# KiCad board CXD-ROUTER-V1.0_PUBLISH.kicad_pcb (continued)
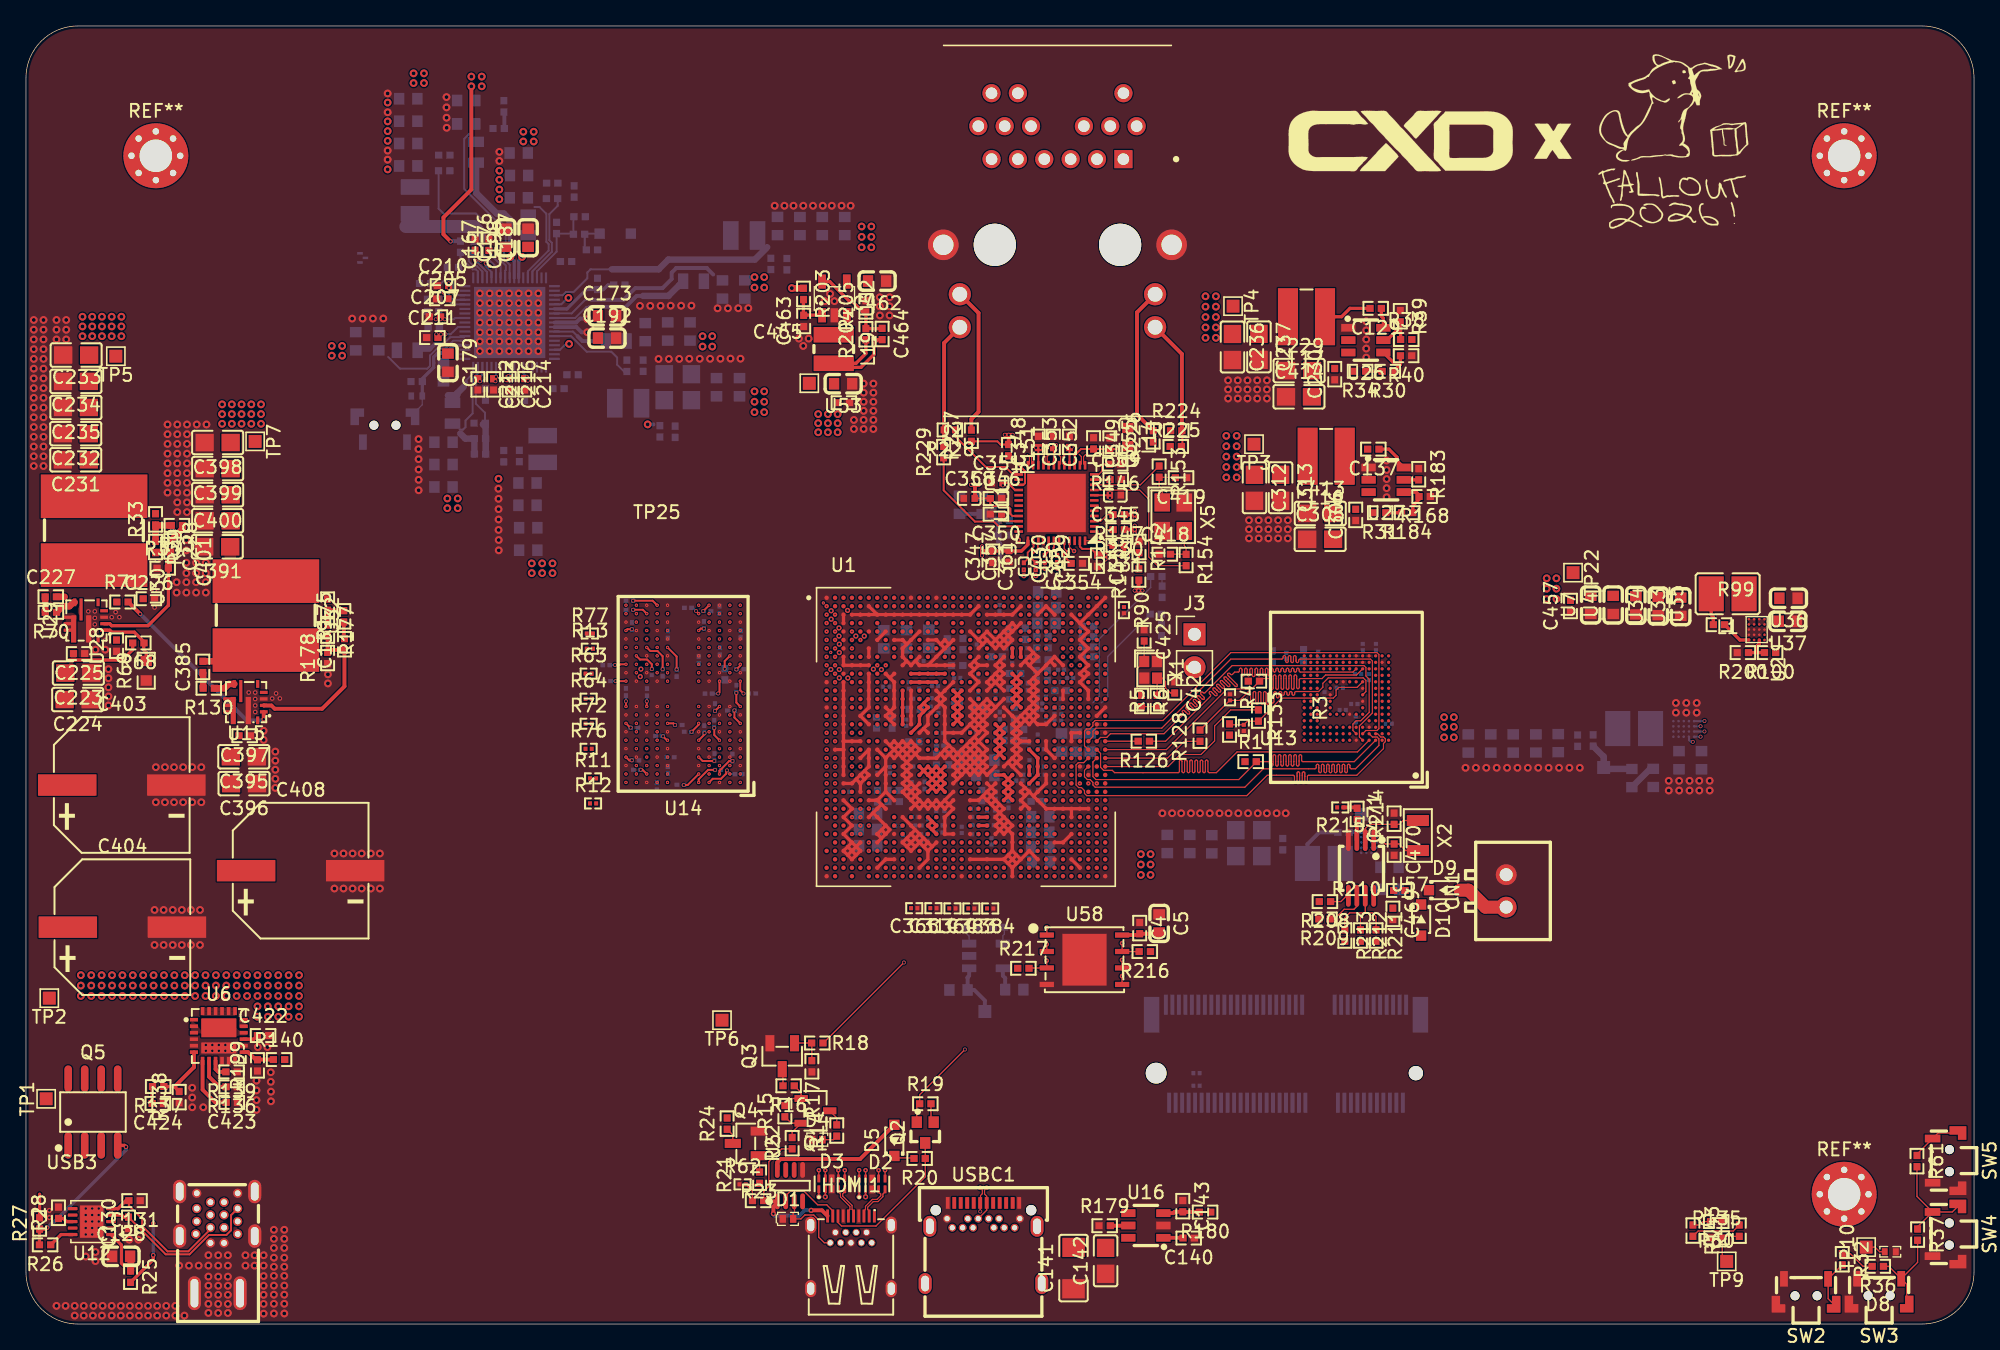
[diagram p0: board, top side]
## Placement (name value [footprint] x y rotation side) (continued)
C359  16V 2.2uF 0402  [FRC0402F1693TS]  83.91 65.06 0 top
C360  100nF 10V X5R ±10% 0201  [CL03A104KP3NNNC]  77.74 58.38 270 top
C361  100nF 10V X5R ±10% 0201  [CL03A104KP3NNNC]  76.83 58.37 90 top
C364  1nF 25V X7R 0201  [RC0201FR-0749R9L]  71.33 32.02 180 top
C365  1nF 25V X7R 0201  [RC0201FR-0749R9L]  68.39 32.04 180 top
C383  1nF 25V X7R 0201  [RC0201FR-0749R9L]  72.8 32.02 180 top
C384  1nF 25V X7R 0201  [RC0201FR-0749R9L]  74.24 32.02 180 top
C385  100nF 50V 0402  [RC0402JR-070RL]  13.61 50.62 90 top
C391  22uF 10V 0805 10%  [CL21A226KPCLRNC]  14.73 59.88 180 top
C395  10uF 50V 0805  [GRM21BR61H106KE43L]  16.77 43.7 180 top
C396  10uF 50V 0805  [GRM21BR61H106KE43L]  16.79 41.63 180 top
C397  100nF 0402 50V  [RC0402JR-070RL]  16.84 45.33 180 top
C398  22uF 10V 0805 10%  [CL21A226KPCLRNC]  14.76 67.91 180 top
C399  22uF 10V 0805 10% - DNP OPTIONAL  [CL21A226KPCLRNC]  14.76 65.9 180 top
C400  22uF 10V 0805 10% - DNP OPTIONAL  [CL21A226KPCLRNC]  14.76 63.89 180 top
C401  22uF 10V 0805 10% - DNP OPTIONAL  [CL21A226KPCLRNC]  14.76 61.88 180 top
C403  100uF 80V SMD  [VKME1001K101MV]  7.38 41.53 0 top
C404  100uF 80V SMD  [VKME1001K101MV]  7.42 30.58 0 top
C405  100nF X5R 10V 0201  [CL03A104KP3NNNC]  55.91 48.58 180 bottom
C407  100nF X5R 10V 0201  [CL03A104KP3NNNC]  55 50.45 180 bottom
C408  100uF 80V SMD  [VKME1001K101MV]  21.15 34.93 0 top
C409  100nF X5R 10V 0201  [CL03A104KP3NNNC]  44.73 49.53 0 bottom
C410  100nF X5R 10V 0201  [CL03A104KP3NNNC]  44.69 50.76 0 bottom
C411  100nF X5R 10V 0201  [CL03A104KP3NNNC]  52.46 54.92 180 bottom
C412  100nF X5R 10V 0201  [CL03A104KP3NNNC]  51.8 51.16 90 bottom
C413  10uF 50V 0805  [GRM21BR61H106KE43L]  99.66 62.44 0 top
C414  10uF 50V 0805  [GRM21BR61H106KE43L]  98.02 71.43 0 top
C418  12pF NP0 1% 0402  [RC0402FR-071KL]  87.69 59.31 0 top
C419  12pF NP0 1% 0402  [RC0402FR-071KL]  88.94 65.2 180 top
C422  3.3nF 50V X7R  [RC0402FR-071KL]  18.26 22.23 0 top
C423  4.7nF X7R 10% 0402  [RC0402FR-071KL]  15.84 17.07 180 top
C424  100nF 0402  [RC0402JR-070RL]  10.15 17 180 top
C425  50V 8pF NP0 0402  [RC0402FR-071KL]  86.1 53.05 270 top
C426  50V 8pF NP0 0402  [RC0402FR-071KL]  88.45 49.05 270 top
C429  100nF 10V X5R ±10% 0201  [CL03A104KP3NNNC]  78.45 58.95 270 top
C430  100nF 10V X5R ±10% 0201  [CL03A104KP3NNNC]  79.4 58.95 90 top
C433  1uF 4V 0201  [RC0201FR-0749R9L]  70.27 47.32 90 bottom
C434  1uF 4V 0201  [RC0201FR-0749R9L]  69.67 47.34 90 bottom
C435  100nF 6.3V 0201  [RC0201FR-0749R9L]  69.98 48.22 0 bottom
C436  100nF 6.3V 0201  [RC0201FR-0749R9L]  69.99 49.15 0 bottom
C437  100nF 6.3V 0201  [RC0201FR-0749R9L]  69.98 50.08 0 bottom
C438  1uF 4V 0201  [RC0201FR-0749R9L]  66.24 49.11 0 bottom
C439  1uF 4V 0201  [RC0201FR-0749R9L]  68.89 51.09 0 bottom
C457  10V 1uF 402  [FRC0402F1693TS]  118.92 55.32 90 top
C458  10V 1uF 402  [FRC0402F1693TS]  96.77 36.97 270 bottom
C459  10V 47uF 0805  [GRM21BR61A476ME15L]  93.15 37.05 270 bottom
C460  10V 47uF 0805  [GRM21BR61A476ME15L]  95.16 37.05 270 bottom
C461  10V 1uF 402  [FRC0402F1693TS]  119.48 44.94 90 bottom
C462  10V 10uF 0603  [CL10A106KP8NNNC]  65.54 80.35 180 top
C463  100nF 50V 0402  [RC0402JR-070RL]  59.88 77.28 90 top
C464  100pF 50V C0G 0402  [FRC0402F1693TS]  65.92 76.27 270 top
C465  100nF 50V 0402  [RC0402JR-070RL]  62.98 70.98 180 top
C466  10V 10uF 0603  [CL10A106KP8NNNC]  71.8 25.74 0 bottom
C467  10V 10uF 0603  [CL10A106KP8NNNC]  76.1 25.76 180 bottom
C469  100nF 50V 0402  [RC0402JR-070RL]  105.25 31.6 270 top
C470  12pF NP0 0402  [RC0402FR-071KL]  105.35 36.55 270 top
C471  DNP  [RC0402FR-071KL]  105.34 38.93 90 top
C472  100nF X5R 16V 0201  [RC0201FR-0749R9L]  103.95 52.16 270 bottom
C474  100nF X5R 16V 0201  [RC0201FR-0749R9L]  103.4 49.84 90 bottom
C475  100nF X5R 16V 0201  [RC0201FR-0749R9L]  102.58 50.08 0 bottom
C476  100nF X5R 16V 0201  [RC0201FR-0749R9L]  101.39 47.31 0 bottom
C477  100nF X5R 16V 0201  [RC0201FR-0749R9L]  102.29 47.77 0 bottom
C478  100nF X5R 16V 0201  [RC0201FR-0749R9L]  99.98 48.44 90 bottom
C479  100nF X5R 16V 0201  [RC0201FR-0749R9L]  101.17 49.01 180 bottom
C481  100nF X5R 16V 0201  [RC0201FR-0749R9L]  102.39 46.58 270 bottom
CN1  -  [B2B-XH-2_LF_SN]  113.98 33.37 90 top
CN2  -  [2199230-4_C2977809]  97.02 20.83 180 bottom
D1  -  [ESD5341N-2_TR]  58.67 8.1 0 top
D2  -  [ESD5304D-10_TR]  65.15 10.79 0 top
D3  -  [ESD5304D-10_TR]  62.05 10.8 0 top
D4  -  [ESD5341N-2_TR]  60.93 14.2 0 top
D5  B5819WS  [B5819WS_C916992]  66.86 14.15 90 top
D6  B5819WS  [B5819WS_C916992]  45.37 84 0 bottom
D7  -  [ESD5451N-2_TR]  30.09 71.49 180 bottom
D8  -  [ESD5451N-2_TR]  143.55 5.57 180 top
D9  -  [B5819WS_C916992]  109.23 33.43 0 top
D10  -  [B5819WS_C916992]  107.42 31.12 270 top
HDMI1  -  [HDMI-GD-121PWB]  63.52 5.53 0 top
J2  JT4-1108HL  [PULSE_JT4-1108HL]  79.42 89.74 0 top
J3  Conn_01x02_Pin  [PinHeader_1x02_P2.54mm_Vertical]  89.98 53.14 0 top
L1  0.22uF  [FTC322512SR22MBCA]  131.03 56.26 180 top
L2  0.22uF  [FTC322512SR22MBCA]  99.93 35.48 180 bottom
L3  0.22uH  [APS252012MR22F]  46.37 70.94 180 bottom
L4  0.47uH  [MTC201208-R47MT]  51.4 80.33 0 bottom
L5  0.22uH  [APS252012MR22F]  55.3 83.86 180 bottom
L6  0.22uH  [APS252012MR22F]  39.79 67.41 90 bottom
L7  0.22uH  [APS252012MR22F]  29.96 86.56 270 bottom
L8  0.47uH  [MTC201208-R47MT]  34.66 90.28 90 bottom
L9  0.47uH  [MTC201208-R47MT]  29.36 75.01 180 bottom
L10  0.47uH  [MTC201208-R47MT]  32.84 70.17 270 bottom
L11  0.47uH  [MTC201208-R47MT]  38.67 84.67 90 bottom
L12  0.47uH  [MTC201208-R47MT]  45.45 75.72 0 bottom
L14  33Ω 100MHz 0603 3A  [BLM18PG330SN1D]  84.84 68.33 270 top
L16  -  [FTC404030S3R3MGCA]  100.11 66.86 180 top
L17  -  [FTC404030S3R3MGCA]  98.6 77.6 180 top
L18  0.22uF  [FTC322512SR22MBCA]  123.83 45.88 180 bottom
L19  2.2uH  [FTC303020D2R2MBCA]  62.2 75.11 270 top
L20  -  [BLM18KG121TN1D]  123.65 42.06 270 bottom
Q1  -  [WPM3407-3_TR]  60.79 16.42 180 top
Q2  -  [2SK3018T106]  69.24 14.75 90 top
Q3  S8050-J3Y  [S8050-J3Y_C18221467]  58.23 20.63 90 top
Q4  -  [S8050-J3Y_C18221467]  55.43 13.92 0 top
Q5  -  [AO4407A]  5.16 16.33 0 top
R1  10K 5% 0201  [RC0402JR-0710KL]  94.3 43.33 0 top
R2  10K 5% 0201  [RC0402JR-0710KL]  94.55 49.53 0 top
R3  10K 5% 0201  [RC0402JR-0710KL]  92.67 45.8 90 top
R4  47K 0201 1% - DNP  [RC0201FR-0747KL]  92.71 48.28 270 top
R5  22R 0402 5%  [CRCW040222R0JNED]  87.1 48 90 top
R6  510K 1% 0402  [RC0402FR-07510KL]  85.9 48 270 top
R11  240R 0201 1%  [RC0201FR-07240RL]  43.66 42.04 0 top
R12  240R 0201 1%  [RC0201FR-07240RL]  43.66 40.11 0 top
R13  240R 0201 1%  [RC0201FR-07240RL]  43.41 52.03 0 top
R14  1K 0402 5%  [RC0402JR-071KL]  62.43 14.91 90 top
R15  10K 0402 5%  [RC0402JR-0710KL]  58.44 16.4 90 top
R16  10K 0402 5%  [RC0402JR-0710KL]  58.72 18.35 180 top
R17  20K 0402 5%  [RC0402JR-0720KL]  60.51 19.86 270 top
R18  10K 0402 5%  [RC0402JR-0710KL]  60.93 21.65 0 top
R19  10K 0402  [RC0402FR-0710KL]  69.25 16.97 0 top
R20  27K 0402  [RC0402JR-0727KL]  68.81 12.75 180 top
R21  0R 0402 5%  [RC0402JR-070RL]  56.49 11.28 90 top
R22  0R 0402  [RC0402JR-070RL]  59 13.93 90 top
R23  100K 5% 0402  [RC0402JR-07100KL]  56.37 9.5 0 top
R24  100K 5% 0402  [RC0402JR-07100KL]  53.99 15.44 90 top
R25  10Ω 0402 50V  [RC0402FR-0710RL]  8.05 3.65 270 top
R26  5.1K 0402 50V  [RC0402FR-075K1L]  1.47 6.1 180 top
R27  49.9 0402 50V  [RC0402FR-0749K9L]  1.05 7.75 90 top
R28  12K +-1% 0402  [0402WGF1402TCE]  2.5 8.57 90 top
R29  68K 0402 1%  [RC0402FR-0768KL]  9.97 59.86 270 top
R30  33.2K 0402  [RC0402FR-0733K2L]  104.86 73.4 180 top
R31  0K 0402  [RC0402JR-070RL]  104.27 62.5 180 top
R32  100R 0402  [RC0402FR-07100RL]  139.86 4.99 270 top
R33  0K 0402  [RC0402JR-070RL]  9.97 61.99 90 top
R34  0K 0402  [RC0402JR-070RL]  102.73 73.4 180 top
R35  12K 0402 1%  [RC0402FR-0712KL]  10.53 58.23 0 top
R36  3K 0402  [RC0402FR-073KL]  142.59 4.44 180 top
R37  6.8K 0402  [RC0402FR-076K8L]  145.65 6.89 270 top
R38  511K 0402 1%  [AF0402FR-07511KL]  106.28 75.84 0 top
R39  105K 0402 0.1%  [ARG02BTC1053]  105.83 77.64 270 top
R40  10K 0402  [RC0402FR-0710KL]  106.27 74.59 180 top
R41  100K 0402  [RC0402FR-07100KL]  131.93 7.19 90 top
R42  240R 1% 0201  [RC0201FR-07240RL]  53.3 42.69 0 bottom
R43  100R 1% 0402  [RC0402FR-07100KL]  49.99 68.74 90 bottom
R44  100R 1% 0402  [RC0402FR-07100KL]  58.59 81.65 270 bottom
R45  100R 1% 0402  [RC0402FR-07100KL]  36.79 66.86 270 bottom
R46  100R 1% 0402  [RC0402FR-07100KL]  32.21 90.05 0 bottom
R47  0R 0402  [RC0402JR-070RL]  36.39 92.1 180 bottom
R48  0R 0402  [RC0402JR-070RL]  36.8 93.81 90 bottom
R49  100K 0402 1%  [RC0402FR-07100KL]  34.94 69.4 0 bottom
R50  20K 0402 1%  [RC0402FR-0720KL]  34.95 68.21 180 bottom
R51  100K 1% 0402  [RC0402FR-07100KL]  42.21 87.25 270 bottom
R52  120K 1% 0402  [RC0402FR-07120KL]  40.51 86.7 180 bottom
R53  200K 0402 0.1%  [RT0402BRD07200KL]  42.59 83.96 0 bottom
R54  200K 0402 0.1%  [RT0402BRD07200KL]  40.85 84.44 90 bottom
R55  100K 0402 1%  [RC0402FR-07100KL]  47.52 73.83 90 bottom
R56  10K 1% 0402  [RC0402FR-0710KL]  45.69 80.06 0 bottom
R57  10K 1% 0402  [RC0402FR-0710KL]  33.45 82.99 90 bottom
R58  100K 0402 1%  [RC0402FR-07100KL]  30.74 80.16 0 bottom
R59  100K 0402 1%  [RC0402FR-07100KL]  32.88 81.4 0 bottom
R60  100K 0402  [RC0402FR-07100KL]  130.15 7.9 180 top
R61  12K 0402  [RC0402FR-0712KL]  145.61 12.55 270 top
R62  47K 0402  [RC0201FR-0747KL]  55.18 10.76 0 top
R63  49.9R 1% 0201  [RC0201FR-0749R9L]  43.33 50.11 0 top
R64  49.9R 1% 0201  [RC0201FR-0749R9L]  43.33 48.18 0 top
R66  10K 0402  [RC0402FR-0710KL]  53.82 50.06 270 bottom
R68  169K 0402  [FRC0402F1693TS]  8.65 52.47 180 top
R69  36.1k 0603  [RT0603BRD0736K1L]  9.26 50.33 90 top
R70  0K 0402  [RC0402JR-070RL]  1.92 54.83 180 top
R71  100K 0402  [RC0402FR-07100KL]  7.43 55.62 0 top
R72  49.9R 1% 0201  [RC0201FR-0749R9L]  43.33 46.25 0 top
R73  0K 0402  [RC0402JR-070RL]  11.62 61.53 180 top
R76  49.9R 1% 0201  [RC0201FR-0749R9L]  43.33 44.32 0 top
R77  240R 0201 1%  [RC0201FR-07240RL]  43.41 53.2 0 top
R90  200K 1%  [RC0201FR-07200KL]  84.55 55 270 top
R99  100R 0402  [RC0402FR-07100RL]  130.36 53.88 0 top
R100  100K 0402  [RC0402FR-07100KL]  134.3 51.73 180 top
R101  2.2K 0402 1%  [RC0402FR-072K2L]  81.8 51.41 0 bottom
R102  2.2K 0402 1%  [RC0402FR-072K2L]  81.78 52.16 0 bottom
R103  2.2K 0402 1%  [RC0402FR-072K2L]  81.78 52.96 0 bottom
R104  2.2K 0402 1%  [RC0402FR-072K2L]  81.78 53.76 0 bottom
R111  100K 0402 5%  [RC0402JR-07100KL]  87.04 57.59 180 bottom
R112  100K 0402 5%  [RC0402JR-07100KL]  86.99 54.69 180 bottom
R113  120K 50V ±1% 0402  [RC0402FR-07120KL]  87.48 56.41 90 bottom
R114  120K 50V ±1% 0402  [RC0402FR-07120KL]  87.43 53.46 90 bottom
R126  0R 0402  [RC0402JR-070RL]  86.08 44.9 180 top
R128  0R 0402  [RC0402JR-070RL]  90.4 45.33 270 top
R130  0K 0402  [RC0402JR-070RL]  14.08 48.98 180 top
R133  0R 0402  [RC0402JR-070RL]  94.9 46.88 90 top
R135  DNP  [RC0402JR-070RL]  130.18 6.64 0 top
R136  300Ω 1% 0402  [RC0402FR-07300RL]  15.83 18.27 180 top
R137  1MΩ 1% 0402  [RC0402FR-071ML]  10.18 18.3 180 top
R138  120K 1% 0402  [RC0402FR-07120KL]  11.8 17.48 90 top
R139  1K 0402 1%  [RC0402FR-071KL]  15.83 19.42 180 top
R140  100K 1% 0402  [RC0402FR-07100KL]  19.49 20.38 0 top
R141  1K 0402 1%  [RC0402FR-071KL]  85.7 57.74 90 top
R142  15K 0402 1%  [RC0402FR-0715KL]  85.7 59.86 270 top
R143  DNP  [RC0402JR-070RL]  128.36 7.2 270 top
R146  2.49K 0402 %  [RC0402FR-072K49L]  83.87 66.25 180 top
R147  4.7K 0402  [RC0402FR-074K7L]  84.14 62.36 180 top
R151  4.7K 0402  [RC0402FR-074K7L]  75.65 67.32 270 top
R153  0R 0402  [RC0402JR-070RL]  87.26 65.67 270 top
R154  0R 0402  [RC0402JR-070RL]  89.33 58.86 270 top
R168  100K 0402  [RC0402FR-07100KL]  107.7 63.75 180 top
R175  20K 1% 0402  [RC0402FR-0720KL]  24.47 54.52 90 top
R176  0K 0402  [RC0402JR-070RL]  23.22 55.42 90 top
R177  45.3K 50V 0402 1%  [RT0402BRD0745K3L]  23.22 53.42 270 top
R178  10K 50V 1% 0402  [RC0402FR-0710KL]  23.22 51.31 90 top
R179  26.1K  [AT0402BRD0726K1L]  83.06 7.58 0 top
R180  100K 0402  [RC0402FR-07100KL]  90.79 8.62 180 top
R183  100K 0402  [RC0402FR-07100KL]  107.24 65.47 270 top
R184  23.7K 0402  [RT0402BRD0723K7L]  106.36 62.5 180 top
R199  33.2K 1% 0402  [RC0402FR-0733K2L]  17.83 19.93 90 top
R200  120K 0402  [RC0402FR-07120KL]  132.2 51.73 180 top
R201  100R 0402  [RC0402FR-07100RL]  101.45 37.88 180 bottom
R202  100R 0402  [RC0402FR-07100RL]  120.67 44.95 270 bottom
R203  10K 0402  [RC0402FR-0710KL]  59.88 79.36 270 top
R204  100K 50V 0402  [RC0402FR-07100KL]  64.67 76.25 90 top
R205  120K 50V 0402  [RC0402FR-07120KL]  64.67 78.4 90 top
R206  4.7K 0402  [RC0402FR-074K7L]  72.8 30.58 180 bottom
R207  10K 0402  [RC0402FR-0710KL]  74.9 30.58 0 bottom
R208  0R 0402  [RC0402JR-070RL]  100.02 32.55 180 top
R209  0R 0402  [RC0402JR-070RL]  99.98 31.21 180 top
R210  0R 0402  [RC0402JR-070RL]  105.75 33.4 0 top
R211  10K 0402  [RC0402FR-0710KL]  103.95 29.93 270 top
R212  DNP  [RC0402JR-070RL]  102.76 29.93 270 top
R213  22R 0402  [RC0402JR-0722RL]  101.55 29.93 270 top
R214  0R 0402  [RC0402JR-070RL]  102.5 39.3 270 top
R215  47K 0201  [RC0201FR-0747KL]  101.2 39.8 180 top
R216  10K 0402 DNP  [RC0402FR-0710KL]  86.15 28.7 180 top
R217  10K 0402 DNP  [RC0402FR-0710KL]  76.8 27.41 0 top
R224  0R 0402 DNP  [RC0402JR-070RL]  88.57 68.82 0 top
R225  249R 0402  [CRCW0402249RFKED]  88.54 67.61 0 top
R226  249R 0402  [CRCW0402249RFKED]  86.8 68.39 90 top
R227  510R 1% 0402  [RC0402FR-07510RL]  72.8 68.44 90 top
R228  0R 0402  [RC0402JR-070RL]  71.14 68.88 180 top
R229  0R 0402 DNP  [RC0402JR-070RL]  70.66 67.17 90 top
R230  4.7K 0402  [RC0402FR-074K7L]  84.14 61.2 180 top
R231  4.7K 0402  [RC0402FR-074K7L]  84.14 60 180 top
REF**  -  [MountingHole_2.5mm_Pad_Via]  140 10 0 top
REF**#2  -  [MountingHole_2.5mm_Pad_Via]  10 90 0 top
REF**#3  -  [MountingHole_2.5mm_Pad_Via]  140 90 0 top
SW1  -  [TS24CA]  27.64 68.92 180 bottom
SW2  -  [TS24CA]  137.07 2.5 180 top
SW3  -  [TS24CA]  142.69 2.51 180 top
SW4  -  [TS24CA]  147.78 6.94 270 top
SW5  -  [TS24CA]  147.79 12.59 270 top
TP1  15V_UNFUSED  [TestPoint_Pad_1.0x1.0mm]  1.55 17.35 90 top
TP2  15V_FUSED  [TestPoint_Pad_1.0x1.0mm]  1.8 25.11 180 top
TP3  0V95_ETH  [TestPoint_Pad_1.0x1.0mm]  94.56 67.78 180 top
TP4  3V3_ETH  [TestPoint_Pad_1.0x1.0mm]  92.95 78.42 270 top
TP5  5V0_SYS  [TestPoint_Pad_1.0x1.0mm]  6.92 74.56 180 top
TP6  3V3_M1  [TestPoint_Pad_1.0x1.0mm]  53.59 23.41 180 top
TP7  3V3_M2  [TestPoint_Pad_1.0x1.0mm]  17.64 68 270 top
TP9  BOOT_SARADC_IN0  [TestPoint_Pad_1.0x1.0mm]  130.95 4.83 180 top
TP10  SARADC_VIN1_KEY/RECOVERY  [TestPoint_Pad_1.0x1.0mm]  141.69 5.93 90 top
TP22  VDD_CPU_BIG0_S0  [TestPoint_Pad_1.0x1.0mm]  119.12 57.89 270 top
TP23  VDD_CPU_BIG1_S0  [TestPoint_Pad_1.0x1.0mm]  121.48 42.88 180 bottom
TP24  VCC_3V3_S0  [TestPoint_Pad_1.0x1.0mm]  73.83 24.08 180 bottom
TP25  VCC_1V1_NLDO_S3  [TestPoint_Pad_1.0x1.0mm]  60.31 72.48 0 top
TP26  VDD_NPU_S0  [TestPoint_Pad_1.0x1.0mm]  102.83 39.28 180 bottom
U1  RK3588  [BGA1088C65P34X34_2300X2300X204N]  72.37 45.23 0 top
U2  -  [RK860-2]  133.26 53.5 180 top
U4  22uF 6.3V 0603  [GRM188R60J226KEA0D]  122.21 55.4 90 top
U5  -  [RS0102YH8]  58.83 10.66 0 top
U6  -  [TPS259804ONRGER]  14.85 22.19 0 top
U7  22uF 6.3V 0603  [GRM188R60J226KEA0D]  120.49 55.4 90 top
U11  -  [RTL8125BG-CG]  79.35 63.25 90 top
U12  HUSB238_xxxDD  [WDFN-10-1EP_3x3mm_P0.5mm_EP1.8x2.5mm]  5.07 7.89 180 top
U13  -  [KLMBG2JETD-B041]  101.67 48.23 180 top
U14  -  [H9HCNNN8KUMLHR-NME]  50.6 48.55 180 top
U15  -  [TPS56637RPAR]  16.95 47.91 180 top
U16  -  [TPS2553DBVR]  86.23 7.59 0 top
U18  RK806-1  [QFN35P700X700X90-69N]  37.24 77.16 0 bottom
U19  -  [RCLAMP0512TQTCT]  25.93 82.13 90 bottom
U26  -  [TPS563201DDCR]  103.17 75.8 180 top
U27  -  [TPS563201DDCR]  104.73 65.04 180 top
U28  52.3K 0402  [RT0402BRD0752K3L]  6.97 52.26 90 top
U29  -  [TPS56A37RPAR]  4.7 54.2 90 top
U30  -  [FEXL0730A-3R3M]  5.24 61.12 270 top
U32  -  [FEXL0730A-3R3M]  18.47 54.58 270 top
U33  22uF 6.3V 0603  [GRM188R60J226KEA0D]  127.41 55.26 90 top
U34  22uF 6.3V 0603  [GRM188R60J226KEA0D]  125.69 55.31 90 top
U35  22uF 6.3V 0603  [GRM188R60J226KEA0D]  123.96 55.36 90 top
U36  22uF 6.3V 0603  [GRM188R60J226KEA0D]  135.71 55.91 180 top
U37  22uF 6.3V 0603  [GRM188R60J226KEA0D]  135.66 54.14 180 top
U38  22uF 6.3V 0603  [GRM188R60J226KEA0D]  105.01 33.49 180 bottom
U39  22uF 6.3V 0603  [GRM188R60J226KEA0D]  104.99 35.19 180 bottom
U40  -  [RK860-2]  103.41 37.1 180 bottom
U41  22uF 6.3V 0603  [GRM188R60J226KEA0D]  127.29 43.44 90 bottom
U42  22uF 6.3V 0603  [GRM188R60J226KEA0D]  129.01 43.44 90 bottom
U43  22uF 6.3V 0603  [GRM188R60J226KEA0D]  91.31 36.96 270 bottom
U44  22uF 6.3V 0603  [GRM188R60J226KEA0D]  87.89 36.98 270 bottom
U45  22uF 6.3V 0603  [GRM188R60J226KEA0D]  89.61 36.98 270 bottom
U46  -  [SGM2576YN5G_TR]  73.92 28.36 0 bottom
U47  22uF 6.3V 0603  [GRM188R60J226KEA0D]  114.51 44.72 90 bottom
U48  22uF 6.3V 0603  [GRM188R60J226KEA0D]  112.79 44.72 90 bottom
U49  22uF 6.3V 0603  [GRM188R60J226KEA0D]  111.06 44.72 90 bottom
U50  22uF 6.3V 0603  [GRM188R60J226KEA0D]  116.26 44.73 90 bottom
U51  22uF 6.3V 0603  [GRM188R60J226KEA0D]  117.99 44.75 90 bottom
U52  -  [SY8089AAAC]  62.25 79.01 270 top
U53  22uF 6.3V 0603  [GRM188R60J226KEA0D]  62.92 72.44 180 top
U54  -  [RK860-3]  127.65 45.84 90 bottom
U55  22uF 6.3V 0603  [GRM188R60J226KEA0D]  125.3 42.07 90 bottom
U57  -  [HYM8563S]  102.8 35.14 180 top
U58  -  [W25Q256JWPIQ]  81.51 28.07 0 top
USB3  -  [HC-TYPE-C-16P-FL6_65Q-5A-06]  14.73 6.29 0 top
USBC1  -  [TYPE-C-31-M-04]  73.73 6.22 0 top
X1  -  [XL7EL89CKI-111YLC-24M]  86.6 50.4 270 top
X2  32.768kHz 12.5pF  [SC-32S32_768kHz20PPM12_5pF]  107.17 37.64 270 top
X5  -  [XL2EL89COI-111YLC-25M]  88.34 62.19 270 top

## Library data of the parts
C1 C12 C13 C15 C17 C18 C20 C22 C24 C28 C29 C33 C35 C37 C39 C46 C47 C49 C51 C238 C281 C286-C288 C291 C293 C296 C298 C307 C435-C437 = -: Datasheet: https://wmsc.lcsc.com/wmsc/upload/file/pdf/v2/lcsc/2407081117_YAGEO-CC0201KRX5R5BB104_C190187.pdf; Description: 100nF 6.3V X5R ±10% 0201 Multilayer Ceramic Capacitors MLCC - SMD/SMT ROHS; LCSC: C190187; Manufacturer: YAGEO; Manufacturer Part: CC0201KRX5R5BB104
C2 C11 C14 C26 C30-C32 C34 C36 C38 C63 C64 C70 C83 C102 C105 C112 C289 C290 C292 C295 C297 = -: Datasheet: https://wmsc.lcsc.com/wmsc/upload/file/pdf/v2/lcsc/2407081117_YAGEO-CC0201KRX5R5BB105_C541330.pdf; Description: 1uF 6.3V X5R ±10% 0201 Multilayer Ceramic Capacitors MLCC - SMD/SMT ROHS; LCSC: C541330; Manufacturer: YAGEO; Manufacturer Part: CC0201KRX5R5BB105
C3 C6 C8 C9 C472 C474-C479 C481 = -: Datasheet: https://wmsc.lcsc.com/wmsc/upload/file/pdf/v2/lcsc/2304140030_Samsung-Electro-Mechanics-CL03A104KO3NNNC_C307380.pdf; Description: 100nF 16V X5R ±10% 0201 Multilayer Ceramic Capacitors MLCC - SMD/SMT ROHS; LCSC: C307380; Manufacturer: Samsung Electro-Mechanics; Manufacturer Part: CL03A104KO3NNNC
C4 C129 C137 C139 C140 C143 C225 C227 C230 C306 C349 C355 C385 C397 C424 C463 C465 C469 = -: Datasheet: https://www.lcsc.com/datasheet/lcsc_datasheet_2407081117_YAGEO-CC0402KRX5R9BB104_C105882.pdf; Description: 100nF 50V X5R ±10% 0402 Multilayer Ceramic Capacitors MLCC - SMD/SMT ROHS; LCSC: C105882; Manufacturer: YAGEO; Manufacturer Part: CC0402KRX5R9BB104
C5 C128 = -: Datasheet: https://www.lcsc.com/datasheet/lcsc_datasheet_2304140030_Samsung-Electro-Mechanics-CL10B105KA8NNNC_C29936.pdf; Description: 1uF 25V X7R ±10% 0603 Multilayer Ceramic Capacitors MLCC - SMD/SMT ROHS; LCSC: C29936; Manufacturer: Samsung Electro-Mechanics; Manufacturer Part: CL10B105KA8NNNC
C7 C10 C19 C21 C23 C25 = -: Datasheet: https://www.lcsc.com/datasheet/lcsc_datasheet_2304140030_Samsung-Electro-Mechanics-CL05A475KP5NRNC_C368809.pdf; Description: 10V 4.7uF X5R ±10% 0402 Multilayer Ceramic Capacitors MLCC - SMD/SMT ROHS; LCSC: C368809; Manufacturer: Samsung Electro-Mechanics; Manufacturer Part: CL05A475KP5NRNC
C16 = -: Datasheet: https://www.lcsc.com/datasheet/lcsc_datasheet_2304140030_Murata-Electronics-GRM033R71E222KA12D_C161488.pdf; Description: 2.2nF 25V X7R ±10% 0201 Multilayer Ceramic Capacitors MLCC - SMD/SMT ROHS; LCSC: C161488; Manufacturer: Murata Electronics; Manufacturer Part: GRM033R71E222KA12D
C27 C55-C57 C66 C67 C72 C79 C87 C88 C97 C98 C107 C108 C113 C345 C351 C357 C358 = -: Datasheet: https://wmsc.lcsc.com/wmsc/upload/file/pdf/v2/lcsc/2312201433_Samsung-Electro-Mechanics-CL05A106MP5NUNC_C315248.pdf; Description: 10V 10uF X5R ±20% 0402 Multilayer Ceramic Capacitors MLCC - SMD/SMT ROHS; LCSC: C315248; Manufacturer: Samsung Electro-Mechanics; Manufacturer Part: CL05A106MP5NUNC
C43 C199 C285 = -: Datasheet: https://wmsc.lcsc.com/wmsc/upload/file/pdf/v2/lcsc/2407081117_YAGEO-CC0402MRX5R6BB475_C469468.pdf; Description: 10V 4.7uF X5R ±20% 0402 Multilayer Ceramic Capacitors MLCC - SMD/SMT ROHS; LCSC: C469468; Manufacturer: YAGEO; Manufacturer Part: CC0402MRX5R6BB475
C48 C50 C58 C282 C433 C434 C438 C439 = -: Datasheet: https://www.lcsc.com/datasheet/lcsc_datasheet_2304140030_Murata-Electronics-GRM033C80G105MEA2D_C161455.pdf; Description: 1uF 4V X6S ±20% 0201 Multilayer Ceramic Capacitors MLCC - SMD/SMT ROHS; LCSC: C161455; Manufacturer: Murata Electronics; Manufacturer Part: GRM033C80G105MEA2D
C53 C59 C61 C62 C68 C69 C84 C85 C92 C93 C103 C104 C111 C121-C123 C125-C127 C256 C257 C260 C262-C278 C280 C299-C302 C317-C327 C360 C361 C405 C407 C409-C412 C429 C430 = -: Datasheet: https://www.lcsc.com/datasheet/lcsc_datasheet_2304140030_Samsung-Electro-Mechanics-CL03A104KP3NNNC_C49062.pdf; Description: 100nF 10V X5R ±10% 0201 Multilayer Ceramic Capacitors MLCC - SMD/SMT ROHS; LCSC: C49062; Manufacturer: Samsung Electro-Mechanics; Manufacturer Part: CL03A104KP3NNNC
C54 C65 C71 C96 C106 = -: Datasheet: https://wmsc.lcsc.com/wmsc/upload/file/pdf/v2/lcsc/2407081117_YAGEO-CC0402KRX5R5BB475_C541466.pdf; Description: 4.7uF 6.3V X5R ±10% 0402 Multilayer Ceramic Capacitors MLCC - SMD/SMT ROHS; LCSC: C541466; Manufacturer: YAGEO; Manufacturer Part: CC0402KRX5R5BB475
C60 C86 C91 C94 C95 C118-C120 C197 = -: Datasheet: https://www.lcsc.com/datasheet/lcsc_datasheet_2304140030_Samsung-Electro-Mechanics-CL05A105KQ5NNNC_C107372.pdf; Description: 1uF 6.3V X5R ±10% 0402 Multilayer Ceramic Capacitors MLCC - SMD/SMT ROHS; LCSC: C107372; Manufacturer: Samsung Electro-Mechanics; Manufacturer Part: CL05A105KQ5NNNC
C73-C78 C80-C82 C89 C90 C99-C101 C109 C110 C114-C117 U4 U7 U33-U39 U41-U45 U47-U51 U53 U55 = -: Datasheet: https://wmsc.lcsc.com/wmsc/upload/file/pdf/v2/lcsc/2205231645_Murata-Electronics-GRM188R60J226KEA0D_C3020456.pdf; Description: 22uF 6.3V X5R ±10% 0603 Multilayer Ceramic Capacitors MLCC - SMD/SMT ROHS; LCSC: C3020456; Manufacturer: Murata Electronics; Manufacturer Part: GRM188R60J226KEA0D
C130 C131 = -: Datasheet: https://www.lcsc.com/datasheet/lcsc_datasheet_1811081614_Murata-Electronics-GRM1555C1H221JA01D_C71693.pdf; Description: 220pF 50V C0G ±5% 0402 Multilayer Ceramic Capacitors MLCC - SMD/SMT ROHS; LCSC: C71693; Manufacturer: Murata Electronics; Manufacturer Part: GRM1555C1H221JA01D
C141 = -: Datasheet: https://wmsc.lcsc.com/wmsc/upload/file/pdf/v2/lcsc/2203190030_Murata-Electronics-GRM31CR61A107MEA8L_C883598.pdf; Description: 100uF 10V X5R ±20% 1206 Multilayer Ceramic Capacitors MLCC - SMD/SMT ROHS; LCSC: C883598; Manufacturer: Murata Electronics; Manufacturer Part: GRM31CR61A107MEA8L
C142 C459 C460 = -: Datasheet: https://datasheet.lcsc.com/lcsc/1912111437_Murata-Electronics-GRM21BR61A476ME15L_C124129.pdf; Description: 10V 47uF X5R ±20% 0805 Multilayer Ceramic Capacitors MLCC - SMD/SMT ROHS; LCSC: C124129; Manufacturer: Murata Electronics; Manufacturer Part: GRM21BR61A476ME15L
C149 C155 C161 C167 = -: Datasheet: https://www.lcsc.com/datasheet/lcsc_datasheet_2308111745_Murata-Electronics-GRM158R61A226ME15D_C3845593.pdf; Description: 10V 22uF X5R ±20% 0402 Multilayer Ceramic Capacitors MLCC - SMD/SMT ROHS; LCSC: C3845593; Manufacturer: Murata Electronics; Manufacturer Part: GRM158R61A226ME15D
C150 C156 C162 C168 C196 C198 C203-C206 C212-C216 C347 C354 C457 C458 C461 = -: Datasheet: https://www.lcsc.com/datasheet/lcsc_datasheet_2304140030_Samsung-Electro-Mechanics-CL05A105KP5NNNC_C14445.pdf; Description: 10V 1uF X5R ±10% 0402 Multilayer Ceramic Capacitors MLCC - SMD/SMT ROHS; LCSC: C14445; Manufacturer: Samsung Electro-Mechanics; Manufacturer Part: CL05A105KP5NNNC
C151 C152 = -: Datasheet: https://www.lcsc.com/datasheet/lcsc_datasheet_2304140030_Samsung-Electro-Mechanics-CL21A476MQYNNNE_C16780.pdf; Description: 47uF 6.3V X5R ±20% 0805 Multilayer Ceramic Capacitors MLCC - SMD/SMT ROHS; LCSC: C16780; Manufacturer: Samsung Electro-Mechanics; Manufacturer Part: CL21A476MQYNNNE
C153 C154 C157-C160 C163-C166 C169-C172 C174 C175 C177 C178 C180 C181 C185 C186 C188 C189 C193 C194 = -: Datasheet: https://www.lcsc.com/datasheet/lcsc_datasheet_2304140030_Samsung-Electro-Mechanics-CL10A226MQ8NRNC_C59461.pdf; Description: 22uF 6.3V X5R ±20% 0603 Multilayer Ceramic Capacitors MLCC - SMD/SMT ROHS; LCSC: C59461; Manufacturer: Samsung Electro-Mechanics; Manufacturer Part: CL10A226MQ8NRNC
C173 C176 C179 C182 C184 C187 C190 C192 C195 C462 C466 C467 = -: Datasheet: https://www.lcsc.com/datasheet/lcsc_datasheet_2304140030_Samsung-Electro-Mechanics-CL10A106KP8NNNC_C19702.pdf; Description: 10V 10uF X5R ±10% 0603 Multilayer Ceramic Capacitors MLCC - SMD/SMT ROHS; LCSC: C19702; Manufacturer: Samsung Electro-Mechanics; Manufacturer Part: CL10A106KP8NNNC
C183 C191 C464 = -: Datasheet: https://wmsc.lcsc.com/wmsc/upload/file/pdf/v2/lcsc/2201121900_Murata-Electronics-GCM1555C1H101FA16D_C2941926.pdf; Description: 100pF 50V C0G ±1% 0402 Multilayer Ceramic Capacitors MLCC - SMD/SMT ROHS; LCSC: C2941926; Manufacturer: Murata Electronics; Manufacturer Part: GCM1555C1H101FA16D
C200 C201 = -: Datasheet: https://wmsc.lcsc.com/wmsc/upload/file/pdf/v2/lcsc/2005141733_YAGEO-CC0402JRNPO8BN102_C526995.pdf; Description: 1nF 25V NP0 ±5% 0402 Multilayer Ceramic Capacitors MLCC - SMD/SMT ROHS; LCSC: C526995; Manufacturer: YAGEO; Manufacturer Part: CC0402JRNPO8BN102
C202 = -: Datasheet: https://www.lcsc.com/datasheet/lcsc_datasheet_2304140030_Samsung-Electro-Mechanics-CL05B103KB5NNNC_C15195.pdf; Description: 10nF 50V X7R ±10% 0402 Multilayer Ceramic Capacitors MLCC - SMD/SMT ROHS; LCSC: C15195; Manufacturer: Samsung Electro-Mechanics; Manufacturer Part: CL05B103KB5NNNC
C207-C211 C346 C348 C350 C352 C353 C356 C359 = -: Datasheet: https://www.lcsc.com/datasheet/lcsc_datasheet_2304140030_Samsung-Electro-Mechanics-CL05A225KO5NQNC_C170151.pdf; Description: 16V 2.2uF X5R ±10% 0402 Multilayer Ceramic Capacitors MLCC - SMD/SMT ROHS; LCSC: C170151; Manufacturer: Samsung Electro-Mechanics; Manufacturer Part: CL05A225KO5NQNC
C223 C224 C229 C305 C395 C396 C413 C414 = -: Datasheet: https://www.lcsc.com/datasheet/lcsc_datasheet_2411041759_Murata-Electronics-GRM21BR61H106KE43L_C440198.pdf; Description: 10uF 50V X5R ±10% 0805 Multilayer Ceramic Capacitors MLCC - SMD/SMT ROHS; LCSC: C440198; Manufacturer: Murata Electronics; Manufacturer Part: GRM21BR61H106KE43L
C226 = -: Datasheet: https://wmsc.lcsc.com/wmsc/upload/file/pdf/v2/lcsc/2304140030_Samsung-Electro-Mechanics-CL05B473KB5VPNC_C307339.pdf; Description: 47nF 50V X7R ±10% 0402 Multilayer Ceramic Capacitors MLCC - SMD/SMT ROHS; LCSC: C307339; Manufacturer: Samsung Electro-Mechanics; Manufacturer Part: CL05B473KB5VPNC
C228 = -: Datasheet: https://www.lcsc.com/datasheet/lcsc_datasheet_2304140030_YAGEO-CC0402JRNPO9BN151_C106998.pdf; Description: 150pF 50V NP0 ±5% 0402 Multilayer Ceramic Capacitors MLCC - SMD/SMT ROHS; LCSC: C106998; Manufacturer: YAGEO; Manufacturer Part: CC0402JRNPO9BN151
C231-C237 C312 C313 C391 C398-C401 = -: Datasheet: https://wmsc.lcsc.com/wmsc/upload/file/pdf/v2/lcsc/2304140030_Samsung-Electro-Mechanics-CL21A226KPCLRNC_C318688.pdf; Description: 10V 22uF X5R ±10% 0805 Multilayer Ceramic Capacitors MLCC - SMD/SMT ROHS; LCSC: C318688; Manufacturer: Samsung Electro-Mechanics; Manufacturer Part: CL21A226KPCLRNC
C239 = -: Datasheet: https://wmsc.lcsc.com/wmsc/upload/file/pdf/v2/lcsc/1811081531_Murata-Electronics-GRM033R71E102KA01D_C76943.pdf; Description: 1nF 25V X7R ±10% 0201 Multilayer Ceramic Capacitors MLCC - SMD/SMT ROHS; LCSC: C76943; Manufacturer: Murata Electronics; Manufacturer Part: GRM033R71E102KA01D
C303 C304 = -: Datasheet: https://wmsc.lcsc.com/wmsc/upload/file/pdf/v2/lcsc/2304140030_Murata-Electronics-GRM033R61E224KE01D_C701263.pdf; Description: 220nF 25V X5R ±10% 0201 Multilayer Ceramic Capacitors MLCC - SMD/SMT ROHS; LCSC: C701263; Manufacturer: Murata Electronics; Manufacturer Part: GRM033R61E224KE01D
C314 C364 C365 C383 C384 = -: Datasheet: https://wmsc.lcsc.com/wmsc/upload/file/pdf/v2/lcsc/2005141732_YAGEO-CC0201JRX7R8BB102_C526941.pdf; Description: 1nF 25V X7R ±5% 0201 Multilayer Ceramic Capacitors MLCC - SMD/SMT ROHS; LCSC: C526941; Manufacturer: YAGEO; Manufacturer Part: CC0201JRX7R8BB102
C403 C404 C408 = -: Datasheet: https://wmsc.lcsc.com/wmsc/upload/file/pdf/v2/lcsc/2304140030_Ymin-VKME1001K101MV_C487410.pdf; Description: -55℃~+105℃ 10000hrs@105℃ 100uF 10mm 10mm 744mA@100kHz 80V ±20% SMD,D10xL10mm Aluminum Electrolytic Capacitors - SMD ROHS; LCSC: C487410; Manufacturer: Ymin; Manufacturer Part: VKME1001K101MV
C418 C419 C470 C471 = -: Datasheet: https://www.lcsc.com/datasheet/lcsc_datasheet_1811141232_YAGEO-CC0402FRNPO9BN120_C326662.pdf; Description: 12pF 50V NP0 ±1% 0402 Multilayer Ceramic Capacitors MLCC - SMD/SMT ROHS; LCSC: C326662; Manufacturer: YAGEO; Manufacturer Part: CC0402FRNPO9BN120
C422 = -: Datasheet: https://www.lcsc.com/datasheet/lcsc_datasheet_2304140030_YAGEO-CC0402KRX7R9BB332_C107028.pdf; Description: 3.3nF 50V X7R ±10% 0402 Multilayer Ceramic Capacitors MLCC - SMD/SMT ROHS; LCSC: C107028; Manufacturer: YAGEO; Manufacturer Part: CC0402KRX7R9BB332
C423 = -: Datasheet: https://www.lcsc.com/datasheet/lcsc_datasheet_2304140030_YAGEO-CC0402KRX7R9BB472_C106208.pdf; Description: 4.7nF 50V X7R ±10% 0402 Multilayer Ceramic Capacitors MLCC - SMD/SMT ROHS; LCSC: C106208; Manufacturer: YAGEO; Manufacturer Part: CC0402KRX7R9BB472
C425 C426 = -: Datasheet: https://wmsc.lcsc.com/wmsc/upload/file/pdf/v2/lcsc/2304140030_YAGEO-CC0402BRNPO9BN8R0_C281765.pdf; Description: 50V 8pF NP0 0402 Multilayer Ceramic Capacitors MLCC - SMD/SMT ROHS; LCSC: C281765; Manufacturer: YAGEO; Manufacturer Part: CC0402BRNPO9BN8R0
